# Altium PCB PT1000_16CH.PCBDOC (part 3 of 5)
Units mm, origin at the board's own origin, x right, y up, seen from the top; angles counter-clockwise.
Board outline 238.48 x 100 mm, 4 copper layers (TOP, G1, L2, BOT), stack 1.55 mm thick; 582 components, 585 nets, 2348 pads, 974 vias.
Unrouted connection lines stored in the file: 797.
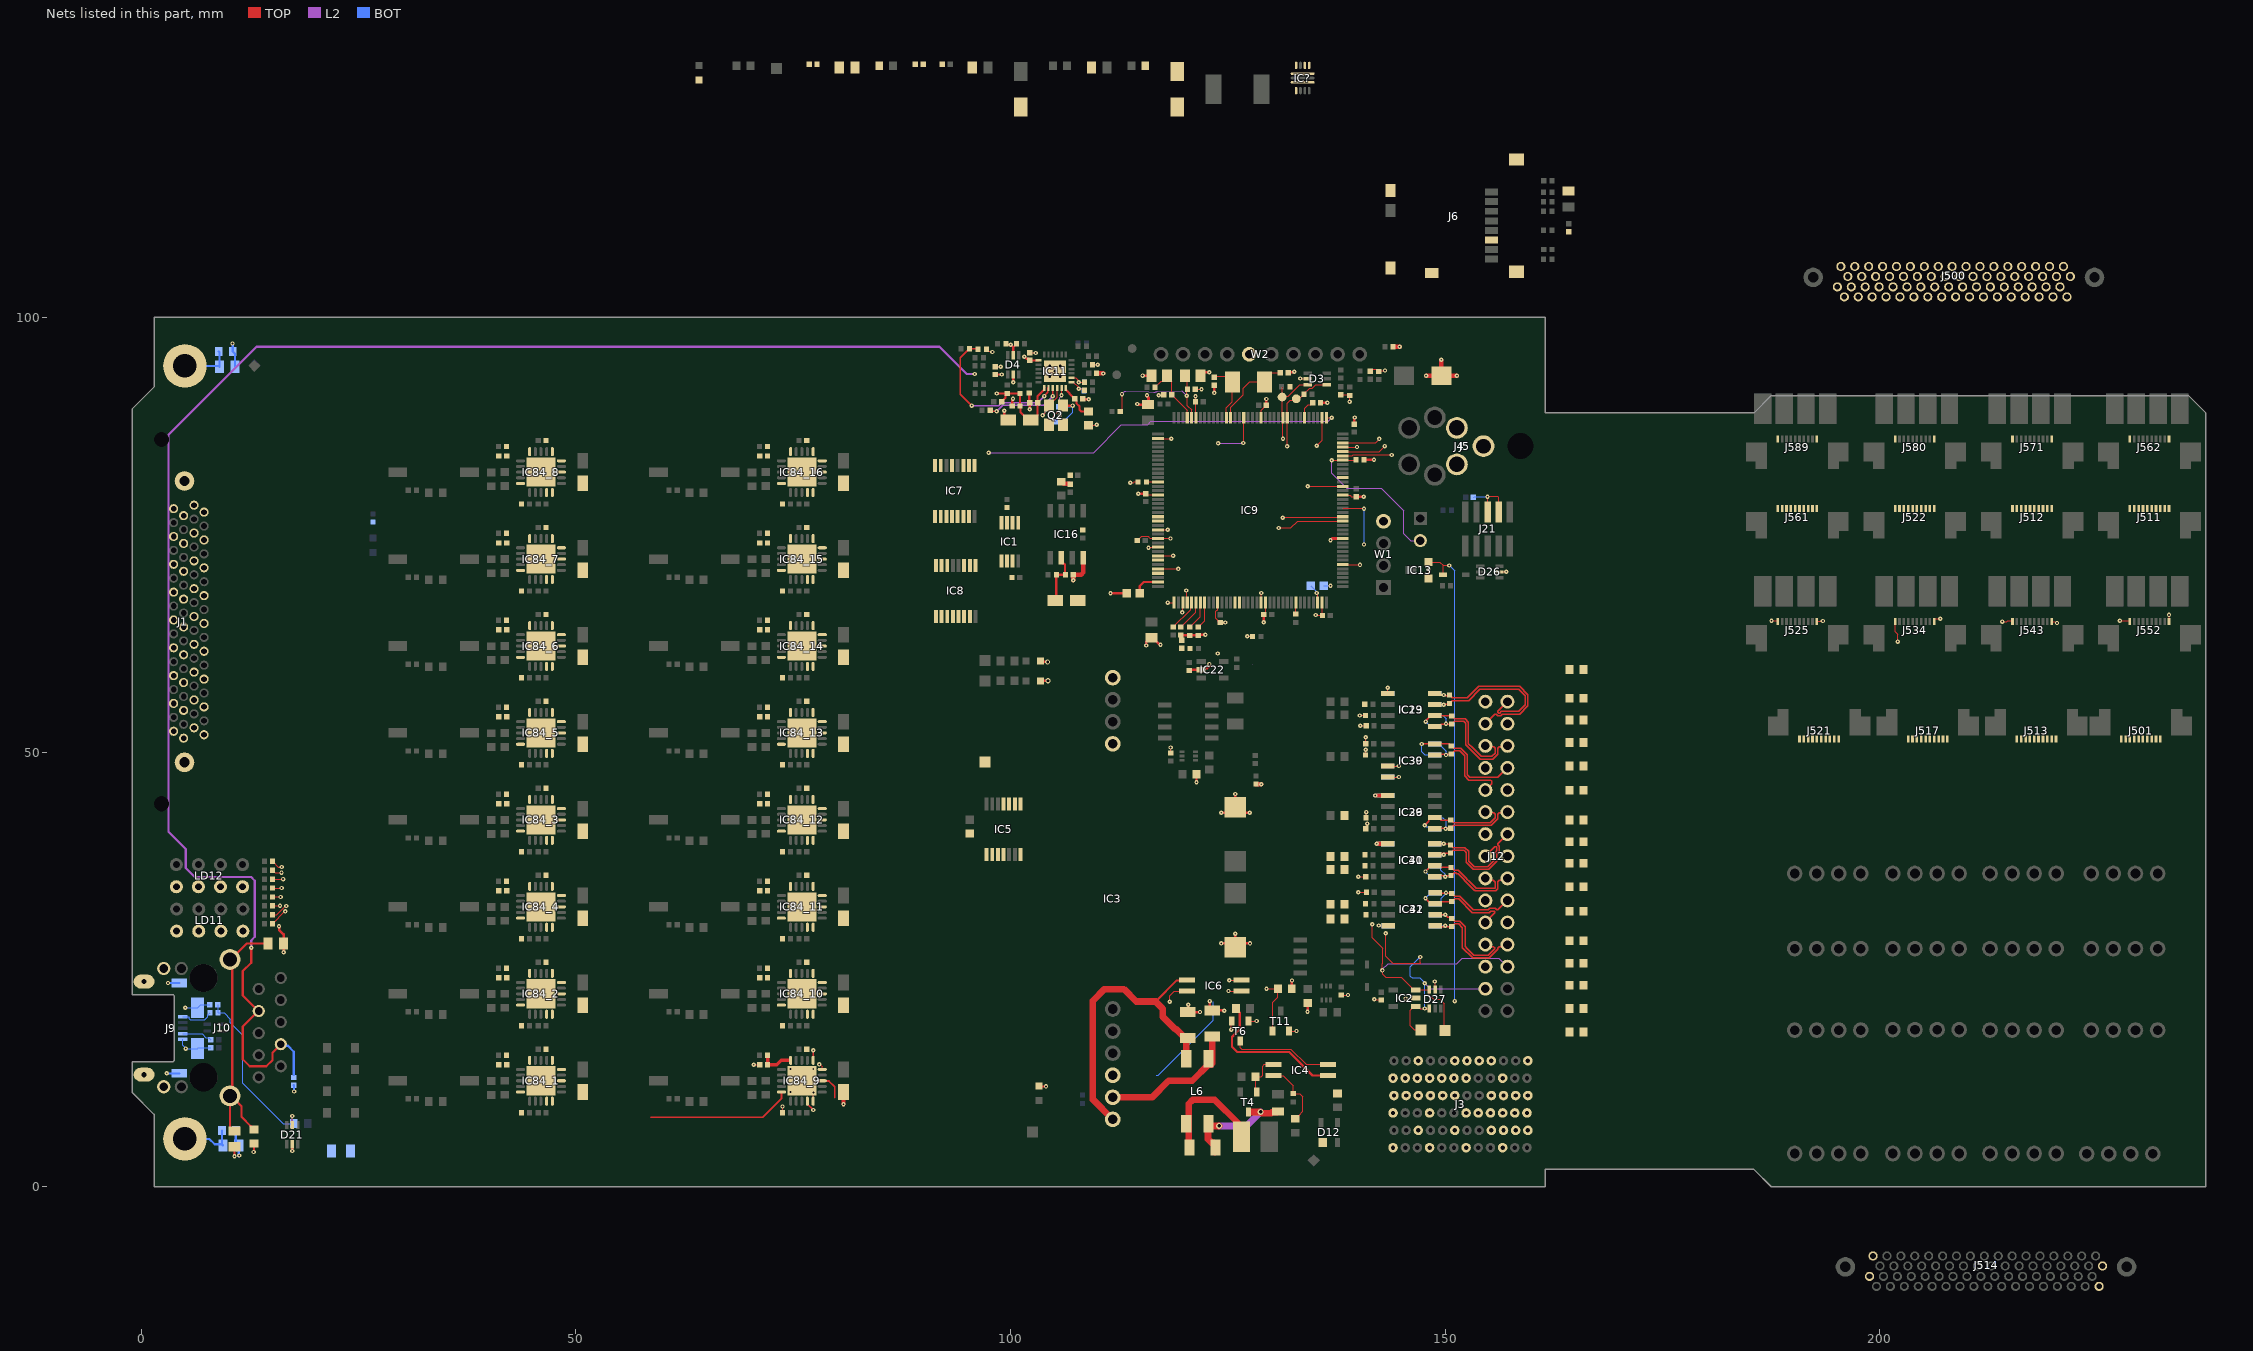
[diagram p5: the nets of this part, all layers, seen from the top]

## Part data (continued)
R? R?: library part R0603_47K_1%_0.1W_100PPM, "Resistor - 1%", Case=0603, Manufacturer=GENERIC, Manufacturer1 ComponentHeight=0.55mm, Manufacturer1 Example="NIC COMPONENT", Manufacturer1 Part Number=NRC06F4702TRF, Power=0.1W, Tolerance=±1%, Author="CERN DEM JLC", Component Type=Standard, CreateDate=03.12.2007, HelpURL=\\cern.ch\dfs\Applications\Altium\Datasheets\R0603_NIC_NRC.pdf, LatestRevisionDate=13.03.2008, Manufacturer Part Number=R0603_47K_1%_0.1W_100PPM, Mounted=Yes, Part Description="General Purpose Thick Film Chip Resistor", Part Number=R0603_47K_1%_0.1W_100PPM, Pin Count=2, Sense=No, SMD=Yes, Socket=No, Status=Preferred, TC=±100ppm/°C
R?: library part R0603_15k_1%_0.1W_100PPM, "Resistor - 1%", Case=0603, Manufacturer=GENERIC, Manufacturer1 ComponentHeight=0.55mm, Manufacturer1 Example="NIC COMPONENT", Manufacturer1 Part Number=NRC06F1502TRF, Manufacturer Part Number=R0603_15K_1%_0.1W_100PPM, Power=0.1W, Tolerance=±1%, Author="CERN DEM JMW", Component Type=Standard, CreateDate=17/08/2015, HelpURL=\\cern.ch\dfs\Applications\Altium\Datasheets\R0603_NIC_NRC.pdf, LatestRevisionDate=17/08/2015, Mounted=Yes, Part Description="General Purpose Thick Film Chip Resistor", Part Number=R0603_15K_1%_0.1W_100PPM, Pin Count=2, PressFit=No, Sense=No, SMD=Yes, Socket=No, Status=Preferred, TC=±100ppm/°C
ST1: library part SCHROFF_PANEL_3U_4HP_Thermostat, "Schroff 3HP 4U EUROCARD Panel", Manufacturer=Schroff, Manufacturer Part Number=20818-017, Manufacturer Part Number 2=20848-664
SW1_1 SW1_2 SW1_3 SW1_4 SW1_5 SW1_6 SW1_7 SW1_8 SW1_9 SW1_10 SW1_11 SW1_12 SW1_13 SW1_14 SW1_15 SW1_16: library part SW_OMRON_A6SN-1101, "1 Ways SPST DIP Switch", Manufacturer=OMRON, Manufacturer Part Number=A6SN-1101, Author="CERN DEM JLC", Component Type=Standard, ComponentHeight=4.6mm, CreateDate=25.02.2013, Family=Switch, HelpURL=\\cern.ch\dfs\Applications\Altium\Datasheets\SW_OMRON_A6SN-1101.pdf, LatestRevisionDate=25.02.2013, Mounted=Yes, PackageDescription="Body 4.48x7.5mm, 1 Way SPST Surface-Mounting Slide Switch With Flat Actuator (A6SN Series)", Part Description="1 Way SPST Surface-Mounting Slide Switch With Flat Actuator, Contact Rating 25mA 24VDC", Part Number=SW_OMRON_A6SN-1101, Pin Count=2, PressFit=No, Sense=No, SMD=Yes, Socket=No, Status=None
T3 T9: "-30V -19.7A P-Channel MOSFET", Case=SOIC8, Manufacturer="VISHAY SILICONIX", Author="CERN DEM MR", Bonding=No, Component Type=Standard, ComponentHeight=1.75mm, CreateDate=05/10/2016, Device=SI4425DDY-T1-GE3, HelpURL=\\cern.ch\dfs\Applications\Altium\Datasheets\SI4425DDY-T1-GE3.pdf, LatestRevisionDate=05/10/2016, Manufacturer Part Number=SI4425DDY-T1-GE3, Mounted=Yes, PackageDescription="SOIC 8, Pitch 1.27mm - Body 4x5mm, IPC Medium Density", Part Description="-30V -19.7A P-Channel MOSFET", Part Number=SI4425DDY-T1-GE3, Pin Count=8, PressFit=No, Sense=No, SMD=Yes, Socket=No
T4 T6 T11: "N-CHANNEL MOSFET WITH DIODE", Case=SOT23-3, Manufacturer="ON SEMICONDUCTOR", Bonding=No, Component Type=Standard, Mounted=Yes, Pin Count=3, PressFit=No, Sense=No, SMD=Yes, Socket=No
  T4: Author="CERN DEM BC", ComponentHeight=1.12mm, ComponentLink1Description="Package Drawing", ComponentLink1URL=\\cern.ch\dfs\Applications\Altium\Datasheets\FDN86246_Package.pdf, CreateDate=10.10.2019, Device=FDN86246, HelpURL=\\cern.ch\dfs\Applications\Altium\Datasheets\FDN86246.pdf, LatestRevisionDate=10.10.2019, Manufacturer Part Number=FDN86246, PackageDescription="SOT, 0.95mm, pitch; 3 pin,1.30mm W X 2.92mm L X 1.12mm H body, IPC Medium Density", Part Description="150V 1.6A N-Channel Power Trench® MOSFET", Part Number=FDN86246
  T6 T11: Author="CERN DEM JLC", ComponentHeight=1.11mm, CreateDate=23.03.2009, Device=BSS138LT1G, HelpURL=\\cern.ch\dfs\Applications\Altium\Datasheets\BSS138LT1G.pdf, LatestRevisionDate=23.03.2009, Manufacturer Part Number=BSS138LT1G, PackageDescription="SOT23 3-Leads, Pitch 0.95mm - Body 1.4x3mm, IPC Medium Density", Part Description="50V 200mA N-Channel Enhancement Mode Field-Effect Transistor", Part Number=BSS138LT1G
T5 T10: "45V, 100mA PNP General Purpose Double Transistor", Case=SOT666, Manufacturer="NXP SEMICONDUCTORS", Author="CERN DEM JLC", Bonding=No, Component Type=Standard, ComponentHeight=0.6mm, CreateDate=01/12/2011, Device=BC857BV, HelpURL=\\cern.ch\dfs\Applications\Altium\Datasheets\BC857BV.pdf, LatestRevisionDate=01/12/2011, Manufacturer Part Number=BC857BV, Mounted=Yes, PackageDescription="SOTFL (SOT666), 0.50mm, Pitch; 6 Pin, 1.20mm W X 1.60mm L X 0.60mm H Body, IPC Medium Density", Part Description="-45V -100mA PNP General Purpose Double Transistor", Part Number=BC857BV, Pin Count=6, PressFit=No, Sense=No, SMD=Yes, Socket=No
TP1 TP2 TP3 TP6 TP8 TP9 TP10: library part SMD_PAD_1.27X1.27MM, Author="CERN DEM JLC", Component Type="Standard (No BOM)", ComponentHeight=0mm, CreateDate=12.01.2008, Family="Test Point", HelpURL=Undefined, LatestRevisionDate=12.01.2008, Mounted=No, PackageDescription="1.27mm x 1.27mm PCB Copper Area (SMD Test Point)", Part Description="1.27mm x 1.27mm PCB Copper Area (SMD Test Point)", Part Number=SMD_PAD_1.27X1.27MM, Pin Count=1, Sense=No, SMD=Yes, Socket=No, Status=None
W1: library part SAMTEC_HTSW-104-23-L-S, "4 Mini Wire-Wrap Contact Strip Header", Manufacturer=SAMTEC, Manufacturer Part Number=HTSW-104-23-L-S, Author="CERN DEM JLC", ComponentHeight=8.38mm, Component Type=Standard, CreateDate=22/02/2018, Family="Header 4", HelpURL=\\cern.ch\dfs\Applications\Altium\Datasheets\SAMTEC_HTSW-104-23-L-S.pdf, LatestRevisionDate=22/02/2018, Mounted=Yes, Part Description="4 Contacts, Pitch 2.54mm, Single Row  Through Mount Straight Header (Post Lead 5.84mm, Tail Lead 2.92mm, Insulator 2.54mm)", Part Number=SAMTEC_HTSW-104-23-L-S, Pin Count=4, PressFit=No, Sense=No, SMD=No, Socket=No, Status=Preferred, Status Comment="High Temperature"
W2: library part SAMTEC_MTLW-110-07-L-S-250, "10 Mini Wire-Wrap Contact Strip Header", Manufacturer=SAMTEC, Manufacturer Part Number=MTLW-110-07-L-S-250, Author="CERN DEM JLC", ComponentHeight=7.87mm, Component Type=Standard, CreateDate=01.11.2017, Family="Header 10", HelpURL=\\cern.ch\dfs\Applications\Altium\Datasheets\SAMTEC_MTLW-110-07-L-S-250.pdf, LatestRevisionDate=01.11.2017, Mounted=Yes, Part Description="10 Contacts, Pitch 2.54mm, Single Row Through Mount Straight Header (Post Lead = 6.35mm, Tail Lead 3.05mm, Insulator 1.52mm)", Part Number=SAMTEC_MTLW-110-07-L-S-250, Pin Count=10, PressFit=No, Sense=No, SMD=No, Socket=No, Status=None

## Via types
v1: diameter 0.5, hole 0.2, TOP to BOT, tented both sides, 922 vias
v2: diameter 0.7, hole 0.4, TOP to BOT, tented both sides, 39 vias
v3: diameter 0.5, hole 0.2, TOP to BOT, 5 vias
v4: diameter 0.66, hole 0.33, TOP to BOT, tented both sides, 5 vias
v5: diameter 0.6, hole 0.3, TOP to BOT, tented both sides, 2 vias
v6: diameter 0.6, hole 0.3, TOP to BOT, 1 vias

## Nets (pads, with @x,y where several pads share a name; then routed paths per layer and width w, separated by ;. In a path a pad name is that pad's centre, name@x,y a point inside that pad or via, vN(x,y) a via of type N, cw(c..) or ccw(c..) an arc to the next point about the centre after c; other vN are vias at no path point)
5V0_USB: D?.2@119.2,128.275 F1.2
AFE_SCL: B15.1 D3.3 IC9.11 J1.68 R61.2 | length 9.3
  TOP w0.127: 131.194,92.014 131.232,91.976 B15.1@131.232,91.08 ; v1(131.333,86.025) 131.33,86.027 131.33,88.441 131.232,88.539 B15.1@131.232,90.836 131.301,90.906 131.922,90.906 133.291,92.275 133.509,92.275 D3.3@134.175,92.275
AFE_SDA: B14.1 D3.4 IC9.10 J1.34 R53.2 | length 10.4
  TOP w0.127: v1(131.809,85.185) 131.819,85.194 131.819,88.434 IC9.10@131.828,88.444 131.828,90.116 132.179,90.467 132.699,90.467 133.033,90.802 133.394,90.802 133.753,91.16 133.753,91.2 134.401,91.848 134.693,91.848 135.119,92.275 D3.4@136.375,92.275
AT_EVENT: IC6.4 IC9.66 R67.1 | length 1.4
  TOP w0.127: v1(125.16,23.756) 125.191,23.787 IC6.4@126.583,23.787
AVDDT_PHY: C77.1 C79.1 C80.2 C81.2 C85.2 C88.2 D4.5 IC11.1 IC11.19 J10.4 J10.7 L7.1 R12.2 R15.2 R18.1 R19.1 | length 207.9
  TOP w0.254: v1(12.669,27.496) 12.669,25.781 11.712,24.824 11.712,21.998 J10.7@13.495,20.215 ; J10.4@16.079,16.405 15.135,15.46 15.135,14.585 14.415,13.865 12.511,13.865 11.712,14.663 11.712,18.432 J10.7@13.495,20.215 ; C80.2@98.252,93.423 v1(98.984,93.423) ; v1(98.425,91.25) 98.427,91.252 99.583,91.252 99.423,91.092 99.423,90.742 98.991,90.31 L7.1@98.991,90.3 ; R18.1@99.606,91.255 R19.1@101.09,91.255 101.092,91.252 101.092,89.803 101.136,89.759 101.136,89.109 102.07,88.175 102.62,88.175 103.118,88.673 103.118,89.332 103.12,89.334 103.12,90.945 103.857,91.682 103.857,91.887 IC11.1@103.87,91.9 ; R12.2@99.606,96.904 99.624,96.886 99.978,96.886 v1(100.025,96.839) ; v1@99.978,96.769 100.116,96.769 100.31,96.576 ; D4.5@100.31,95.63 100.31,96.576 ; R15.2@100.666,96.952 100.666,96.932 100.31,96.576 ; v1(101.575,95.465) 101.642,95.465 101.875,95.232 102.037,95.232 C79.1@102.22,95.049 IC11.19@103.22,95.05 ; J10.7@13.495,20.215 J10.7@13.539,20.215 J10.7@13.495,20.215
  L2 w0.254: v1(12.669,27.496) 12.669,28.331 13.091,28.753 13.091,35.215 12.661,35.645 6.175,35.645 5.156,36.664 5.156,38.844 3.15,40.85 3.15,86.503 13.272,96.625 91.831,96.625 94.983,93.473 95.866,93.473 v1(95.881,93.488)
  BOT w0.254: J10.4@16.079,16.405 16.268,16.216 16.911,16.216 17.577,15.55 17.577,12.895
BGA0: J3.C3
BGA1: J3.F3
BGA2: J3.I3
BGA3: J3.L3
BP_I2C.SCL: IC5.8 IC5.11 J3.B2
BP_I2C.SDA: IC5.1 IC5.4 J3.C2
BP_IO.LVDS0_N: J3.E3 R47.1
BP_IO.LVDS0_P: J3.D3 R45.1
BP_IO.LVDS1_N: J3.B3 R49.1
BP_IO.LVDS1_P: J3.A3 R48.1
BP_IO.LVDS2_N: J3.C4 R51.1
BP_IO.LVDS2_P: J3.B4 R50.1
BP_IO.LVDS3_N: J3.L4 R55.1
BP_IO.LVDS3_P: J3.K4 R52.1
BP_IO.LVDS4_N: J3.I4 R57.1
BP_IO.LVDS4_P: J3.H4 R56.1
BP_IO.LVDS5_N: J3.K5 R59.1
BP_IO.LVDS5_P: J3.J5 R58.1
BP_IO.LVDS6_N: J3.H5 R71.1
BP_IO.LVDS6_P: J3.G5 R60.1
BP_IO.LVDS7_N: J3.F6 R74.1
BP_IO.LVDS7_P: J3.E6 R72.1
CPU_RESETn: D5.1 IC13.2 T6.1 | length 54.9
  TOP w0.127: T6.1@127.365,19.066 v1(128.304,19.066) ; IC13.2@148.088,71.861 149.363,71.861 149.756,71.467 ; D5.1@149.756,70.406 149.756,71.467 ; v1(150.469,71.46) 150.462,71.467 149.756,71.467
  BOT w0.127: v1(150.469,71.46) 151.079,70.85 v1(151.079,21.36)
CSN: R40.2
EEM_GPIO_0: R42.2
EEM_GPIO_1: R43.2
EEM_GPIO_2: R44.2
EEM_GPIO_3: R46.2
FFORCE_N0: J500.5 J501.5
FFORCE_N1: J500.9 J501.9
FFORCE_N2: J500.13 J513.5
FFORCE_N3: J500.17 J513.9
FFORCE_N4: J500.21 J517.5
FFORCE_N5: J500.25 J517.9
FFORCE_N6: J500.29 J521.5
FFORCE_N7: J500.33 J521.9
FFORCE_N8: J500.39 J511.5
FFORCE_N9: J500.43 J511.9
FFORCE_N10: J500.47 J512.5
FFORCE_N11: J500.51 J512.9
FFORCE_N12: J500.55 J522.5
FFORCE_N13: J500.59 J522.9
FFORCE_N14: J500.63 J561.5
FFORCE_N15: J500.67 J561.9
FFORCE_P0: J500.2 J501.2
FFORCE_P1: J500.6 J501.6
FFORCE_P2: J500.10 J513.2
FFORCE_P3: J500.14 J513.6
FFORCE_P4: J500.18 J517.2
FFORCE_P5: J500.22 J517.6
FFORCE_P6: J500.26 J521.2
FFORCE_P7: J500.30 J521.6
FFORCE_P8: J500.36 J511.2
FFORCE_P9: J500.40 J511.6
FFORCE_P10: J500.44 J512.2
FFORCE_P11: J500.48 J512.6
FFORCE_P12: J500.52 J522.2
FFORCE_P13: J500.56 J522.6
FFORCE_P14: J500.60 J561.2
FFORCE_P15: J500.64 J561.6
FORCE_N00: IC84_1.9 J1.5
FORCE_N01: IC84_2.9 J1.9
FORCE_N02: IC84_3.9 J1.13
FORCE_N03: IC84_4.9 J1.17
FORCE_N04: IC84_5.9 J1.21
FORCE_N05: IC84_6.9 J1.25
FORCE_N06: IC84_7.9 J1.29
FORCE_N07: IC84_8.9 J1.33
FORCE_N08: IC84_9.9 J1.39 | length 1.3
  TOP w0.2: IC84_9.9@76.65,9.85 76.65,9.497 77.3,8.847 v1(77.3,8.843)
FORCE_N09: IC84_10.9 J1.43
FORCE_N10: IC84_11.9 J1.47
FORCE_N11: IC84_12.9 J1.51
FORCE_N12: IC84_13.9 J1.55
FORCE_N13: IC84_14.9 J1.59
FORCE_N14: IC84_15.9 J1.63
FORCE_N15: IC84_16.9 J1.67
FORCE_P00: IC84_1.5 J1.2
FORCE_P01: IC84_2.5 J1.6
FORCE_P02: IC84_3.5 J1.10
FORCE_P03: IC84_4.5 J1.14
FORCE_P04: IC84_5.5 J1.18
FORCE_P05: IC84_6.5 J1.22
FORCE_P06: IC84_7.5 J1.26
FORCE_P07: IC84_8.5 J1.30
FORCE_P08: IC84_9.5 J1.36 | length 16.7
  TOP w0.2: 58.65,7.99 71.521,7.99 73.65,10.119 IC84_9.5@73.65,10.9
FORCE_P09: IC84_10.5 J1.40
FORCE_P10: IC84_11.5 J1.44
FORCE_P11: IC84_12.5 J1.48
FORCE_P12: IC84_13.5 J1.52
FORCE_P13: IC84_14.5 J1.56
FORCE_P14: IC84_15.5 J1.60
FORCE_P15: IC84_16.5 J1.64
FRTDIN_N0: J500.4 J501.4
FRTDIN_N1: J500.8 J501.8
FRTDIN_N2: J500.12 J513.4
FRTDIN_N3: J500.16 J513.8
FRTDIN_N4: J500.20 J517.4
FRTDIN_N5: J500.24 J517.8
FRTDIN_N6: J500.28 J521.4
FRTDIN_N7: J500.32 J521.8
FRTDIN_N8: J500.38 J511.4
FRTDIN_N9: J500.42 J511.8
FRTDIN_N10: J500.46 J512.4
FRTDIN_N11: J500.50 J512.8
FRTDIN_N12: J500.54 J522.4
FRTDIN_N13: J500.58 J522.8
FRTDIN_N14: J500.62 J561.4
FRTDIN_N15: J500.66 J561.8
FRTDIN_P0: J500.3 J501.3
FRTDIN_P1: J500.7 J501.7
FRTDIN_P2: J500.11 J513.3
FRTDIN_P3: J500.15 J513.7
FRTDIN_P4: J500.19 J517.3
FRTDIN_P5: J500.23 J517.7
FRTDIN_P6: J500.27 J521.3
FRTDIN_P7: J500.31 J521.7
FRTDIN_P8: J500.37 J511.3
FRTDIN_P9: J500.41 J511.7
FRTDIN_P10: J500.45 J512.3
FRTDIN_P11: J500.49 J512.7
FRTDIN_P12: J500.53 J522.3
FRTDIN_P13: J500.57 J522.7
FRTDIN_P14: J500.61 J561.3
FRTDIN_P15: J500.65 J561.7
GND: C1.1 C2.1 C3.2 C4.2 C6.1 C7.1 C9.1 C10.1 C11.2 C17.1 C18.1 C19.2 C21.2 C22.2 C23.2 C24.2 C25.1 C28.1 C29.2 C30.2 C31.2 C32.2 C33.2 C35.2 C36.1 C37.2 C38.2 C64.2 C65.1 C77.2 C79.2 C80.1 C81.1 C84.1 C85.1 C87.1 C88.1 C89.2 C92.2 C94.2 C95.2 C96.2 C97.2 C98.2 C99.2 C100.1 C102.2 C103.2 C108.1 C109.1 C126.2 C144.1 C145.1 C146.1 C147.1 C148.1 C160.2 C161.2 C224_1.2 C224_2.2 C224_3.2 C224_4.2 C224_5.2 C224_6.2 C224_7.2 C224_8.2 C224_9.2 C224_10.2 C224_11.2 C224_12.2 C224_13.2 C224_14.2 C224_15.2 C224_16.2 C225_1.2 C225_2.2 C225_3.2 C225_4.2 C225_5.2 C225_6.2 C225_7.2 C225_8.2 C225_9.2 C225_10.2 C225_11.2 C225_12.2 C225_13.2 C225_14.2 C225_15.2 C225_16.2 C226_1.1 C226_2.1 C226_3.1 C226_4.1 C226_5.1 C226_6.1 C226_7.1 C226_8.1 C226_9.1 C226_10.1 C226_11.1 C226_12.1 C226_13.1 C226_14.1 C226_15.1 C226_16.1 C?.1@76.85,129.125 C?.1@80.3,128.725 C?.1@92.15,129.125 C?.1@95.6,128.725 C?.1@109.3,128.725 C?.2@89.95,129.125 D3.2 D4.2 D12.1 D21.2 D24.2 D26.2 D27.2 IC1.4 IC1.5 IC1.6 IC1.7 IC2.2 IC3.7 IC3.10 IC5.7 IC6.3 IC7.8 IC8.8 IC9.16 IC9.31 IC9.38 IC9.51 IC9.61 IC9.83 IC9.94 IC9.107 IC9.120 IC9.130 IC11.25 IC13.1 IC16.4 IC19.5 IC22.2 IC23.4 IC29.5 IC30.3 IC30.4 IC31.5 IC32.4 IC36.4 IC39.5 IC40.4 IC41.5 IC84_1.10 IC84_1.15 IC84_1.16 IC84_1.21 IC84_2.10 IC84_2.15 IC84_2.16 IC84_2.21 IC84_3.10 IC84_3.15 IC84_3.16 IC84_3.21 IC84_4.10 IC84_4.15 IC84_4.16 IC84_4.21 IC84_5.10 IC84_5.15 IC84_5.16 IC84_5.21 IC84_6.10 IC84_6.15 IC84_6.16 IC84_6.21 IC84_7.10 IC84_7.15 IC84_7.16 IC84_7.21 IC84_8.10 IC84_8.15 IC84_8.16 IC84_8.21 IC84_9.10 IC84_9.15 IC84_9.16 IC84_9.21 IC84_10.10 IC84_10.15 IC84_10.16 IC84_10.21 IC84_11.10 IC84_11.15 IC84_11.16 IC84_11.21 IC84_12.10 IC84_12.15 IC84_12.16 IC84_12.21 IC84_13.10 IC84_13.15 IC84_13.16 IC84_13.21 IC84_14.10 IC84_14.15 IC84_14.16 IC84_14.21 IC84_15.10 IC84_15.15 IC84_15.16 IC84_15.21 IC84_16.10 IC84_16.15 IC84_16.16 IC84_16.21 IC?.3 IC?.4 IC?.11 J1.1 J1.35 J1.69 J1.70 J3.A2 J3.A4 J3.A6 J3.C1 J3.C5 J3.D2 J3.D4 J3.D6 J3.F1 J3.F5 J3.G2 J3.G4 J3.G6 J3.I1 J3.I5 J3.J2 J3.J4 J3.J6 J3.L1 J3.L5 J4.1 J5.1 J5.2 J6.6 J6.9 J6.10 J6.11 J6.13 J6.14 J9.5 J9.6 J9.7 J9.8 J9.9 J9.10 J9.11 J10.L2 J10.L4 J12.1 J12.4 J12.7 J12.10 J12.13 J12.16 J12.19 J12.22 J12.25 J21.3 J21.5 J500.1 J500.34 J500.35 J500.68 J501.1 J501.10 J511.1 J511.10 J512.1 J512.10 J513.1 J513.10 J514.1 J514.34 J514.35 J514.68 J517.1 J517.10 J521.1 J521.10 J522.1 J522.10 J525.1 J525.10 J534.1 J534.10 J543.1 J543.10 J552.1 J552.10 J561.1 J561.10 J562.1 J562.10 J571.1 J571.10 J580.1 J580.10 J589.1 J589.10 LD2.1 LD3.1 LD6.1 LD10.1 LD11.1 LD11.3 LD11.5 LD11.7 LD12.1 LD12.3 LD12.5 LD12.7 Q2.2 Q2.4 R8.2 R25.2 R26.2 R28.2 R31.1 R32.2 R36_1.1 R36_2.1 R36_3.1 R36_4.1 R36_5.1 R36_6.1 R36_7.1 R36_8.1 R36_9.1 R36_10.1 R36_11.1 R36_12.1 R36_13.1 R36_14.1 R36_15.1 R36_16.1 R63.2 R68.1 R75.2 R81.2 R85.1 R86.1 R93.2 R106.2 R119.2 R125.1 R135.1 R154.1 R195.1 R196.1 R197.1 R220.1 R223.1 R?.1@84.9,128.925 T6.2 T11.2 TP9.1 W1.4 W2.5 | length 170.6
  TOP w0.127: v1(12.95,4) v1@13,4.05 ; v1(70.477,14.05) C226_9.1@71.15,14.05 ; R36_9.1@73.76,8.53 73.784,8.554 v1(73.784,9.242) ; IC84_9.10@77.3,9.85 IC84_9.21@77.3,10.9 ; v1@78.205,14.011 78.35,13.866 IC84_9.15@78.35,13.5 ; R28.2@97.228,96.35 97.228,96.33 97.454,96.104 97.737,96.104 97.818,96.023 v1(97.919,96.023) ; C80.1@98.252,94.323 98.256,94.318 v1(98.88,94.318) ; C77.2@99.289,88.631 C77.2@99.745,88.175 ; v1@100.195,90.462 100.28,90.547 v1(100.28,90.648) ; C79.2@102.22,95.949 102.264,95.905 v1(102.903,95.905) ; Q2.4@104.42,87.65 104.931,88.162 104.931,88.636 106.02,89.725 Q2.2@106.02,89.85 ; C100.1@108.295,90.625 C100.1@108.352,90.568 ; C87.1@108.97,87.575 109.835,87.575 v1(109.91,87.65) ; R25.2@109.446,94.55 109.46,94.536 v1(110.038,94.536) ; C95.2@114.582,74.341 115.082,74.842 115.871,74.842 115.982,74.73 115.982,74.673 116.087,74.569 IC9.61@116.953,74.569 116.955,74.571 118.398,74.571 v1(118.4,74.573) ; C30.2@115.553,79.719 115.703,79.569 IC9.51@116.953,79.569 ; C35.2@115.621,62.688 116.082,63.15 C35.2@116.207,63.15 C35.2@116.382,63.15 ; IC9.38@116.953,86.069 117.001,86.02 v1@118.47,86.02 ; v1(117.045,91.049) 117.595,91.049 C23.2@117.647,91.1 ; v1@117.201,62.332 v1(117.248,62.332) ; R85.1@118.415,49.918 v1(118.415,50.52) ; C24.2@121.256,91.732 v1(121.973,91.732) ; C31.2@121.278,90.3 v1(121.278,90.918) ; IC9.31@121.328,88.444 C31.2@121.328,90.037 ; C25.1@121.851,93.262 C25.1@121.901,93.312 ; IC9.83@123.828,67.194 123.828,66.383 123.753,66.309 123.722,66.309 123.61,66.197 123.61,65.409 123.901,65.118 C96.2@123.901,64.922 ; C96.2@124.111,64.909 124.122,64.897 v1(124.71,64.897) ; v1(125.071,22.517) IC6.3@126.583,22.517 ; v1(125.378,18.052) 125.378,18.979 T6.2@125.465,19.066 ; v1(127.24,63.333) 127.819,63.333 R75.2@127.858,63.294 ; IC9.16@128.828,88.444 128.828,89.304 C33.2@129.435,89.912 ; C97.2@129.128,65.819 129.328,66.019 IC9.94@129.328,67.194 ; T11.2@132.037,17.921 v1(132.887,17.921) ; v1@132.35,23.713 v1(132.369,23.731) ; v1(133.323,92.963) D3.2@134.175,92.963 ; v1(134.163,20.148) v1@134.19,20.175 ; D3.2@134.175,92.925 D3.2@134.45,92.925 ; v1(135.105,65.764) 135.822,65.764 C98.2@135.878,65.708 135.828,65.758 IC9.107@135.828,67.194 ; C126.2@138,91.1 138.93,91.1 R93.2@139,91.03 v1(139,90.3) ; R196.1@138.02,22.056 v1(138.809,22.056) ; IC9.130@138.203,79.569 138.254,79.517 139.068,79.517 139.217,79.369 C32.2@139.778,79.369 ; v1@139.553,88.46 v1(139.578,88.485) ; v1(139.985,33.875) C145.1@140.945,33.875 ; v1(139.985,35.656) C147.1@140.862,35.656 ; v1(140.223,53.025) C148.1@140.912,53.025 ; C144.1@140.862,41.193 141.028,41.36 v1(141.028,41.776) ; C146.1@140.862,50.968 v1(140.862,51.696) ; C92.2@141.364,93.784 141.591,94.011 142.118,94.011 R81.2@142.345,93.784 142.439,93.878 v1(143.077,93.878) ; v1@141.777,83.6 v1(141.805,83.628) ; v1(141.845,21.575) 141.928,21.492 C2.1@142.643,21.492 ; v1(142.342,30.048) 142.37,30.02 IC32.4@143.425,30.02 ; IC30.4@143.394,47.127 v1(144.671,47.126) ; IC30.3@143.394,48.397 v1(144.671,48.397) ; IC19.5@143.394,56.751 v1(143.394,57.4) ; R125.1@143.999,96.631 R125.1@144.005,96.625 ; v1(145.44,21.666) 145.476,21.702 IC2.2@146.619,21.702 ; IC13.1@148.088,69.956 v1(148.088,71.012) ; v1(148.794,23.61) 148.837,23.567 D27.2@148.837,22.702 ; J21.5@154.86,77.5 v1(154.86,79.369) ; v1@154.94,79.477 154.996,79.42 156.056,79.42 156.13,79.346 J21.3@156.13,77.5 ; D26.2@155.93,70.713 155.948,70.731 v1(157.009,70.731) ; v1(187.522,65.097) 188.158,65.097 188.245,65.011 J525.1@188.245,65 ; J525.10@192.745,65 192.817,65.072 v1(193.433,65.072) ; J534.1@201.745,65 201.745,63.817 202.035,63.527 v1(202.035,62.71) ; J534.10@206.245,65 206.245,65.245 206.331,65.331 v1(206.939,65.331) ; v1(214.067,65.006) 214.6,65.006 214.697,65.102 215.158,65.102 215.245,65.016 J543.1@215.245,65 ; J543.10@219.745,65 220.109,65 220.259,64.85 v1@220.36,64.85 ; v1(227.595,65.102) 228.658,65.102 228.745,65.016 J552.1@228.745,65 ; J552.10@233.245,65 v1(233.245,65.777)